# Altium PCB press.PcbDoc (part 1 of 2) (continued)
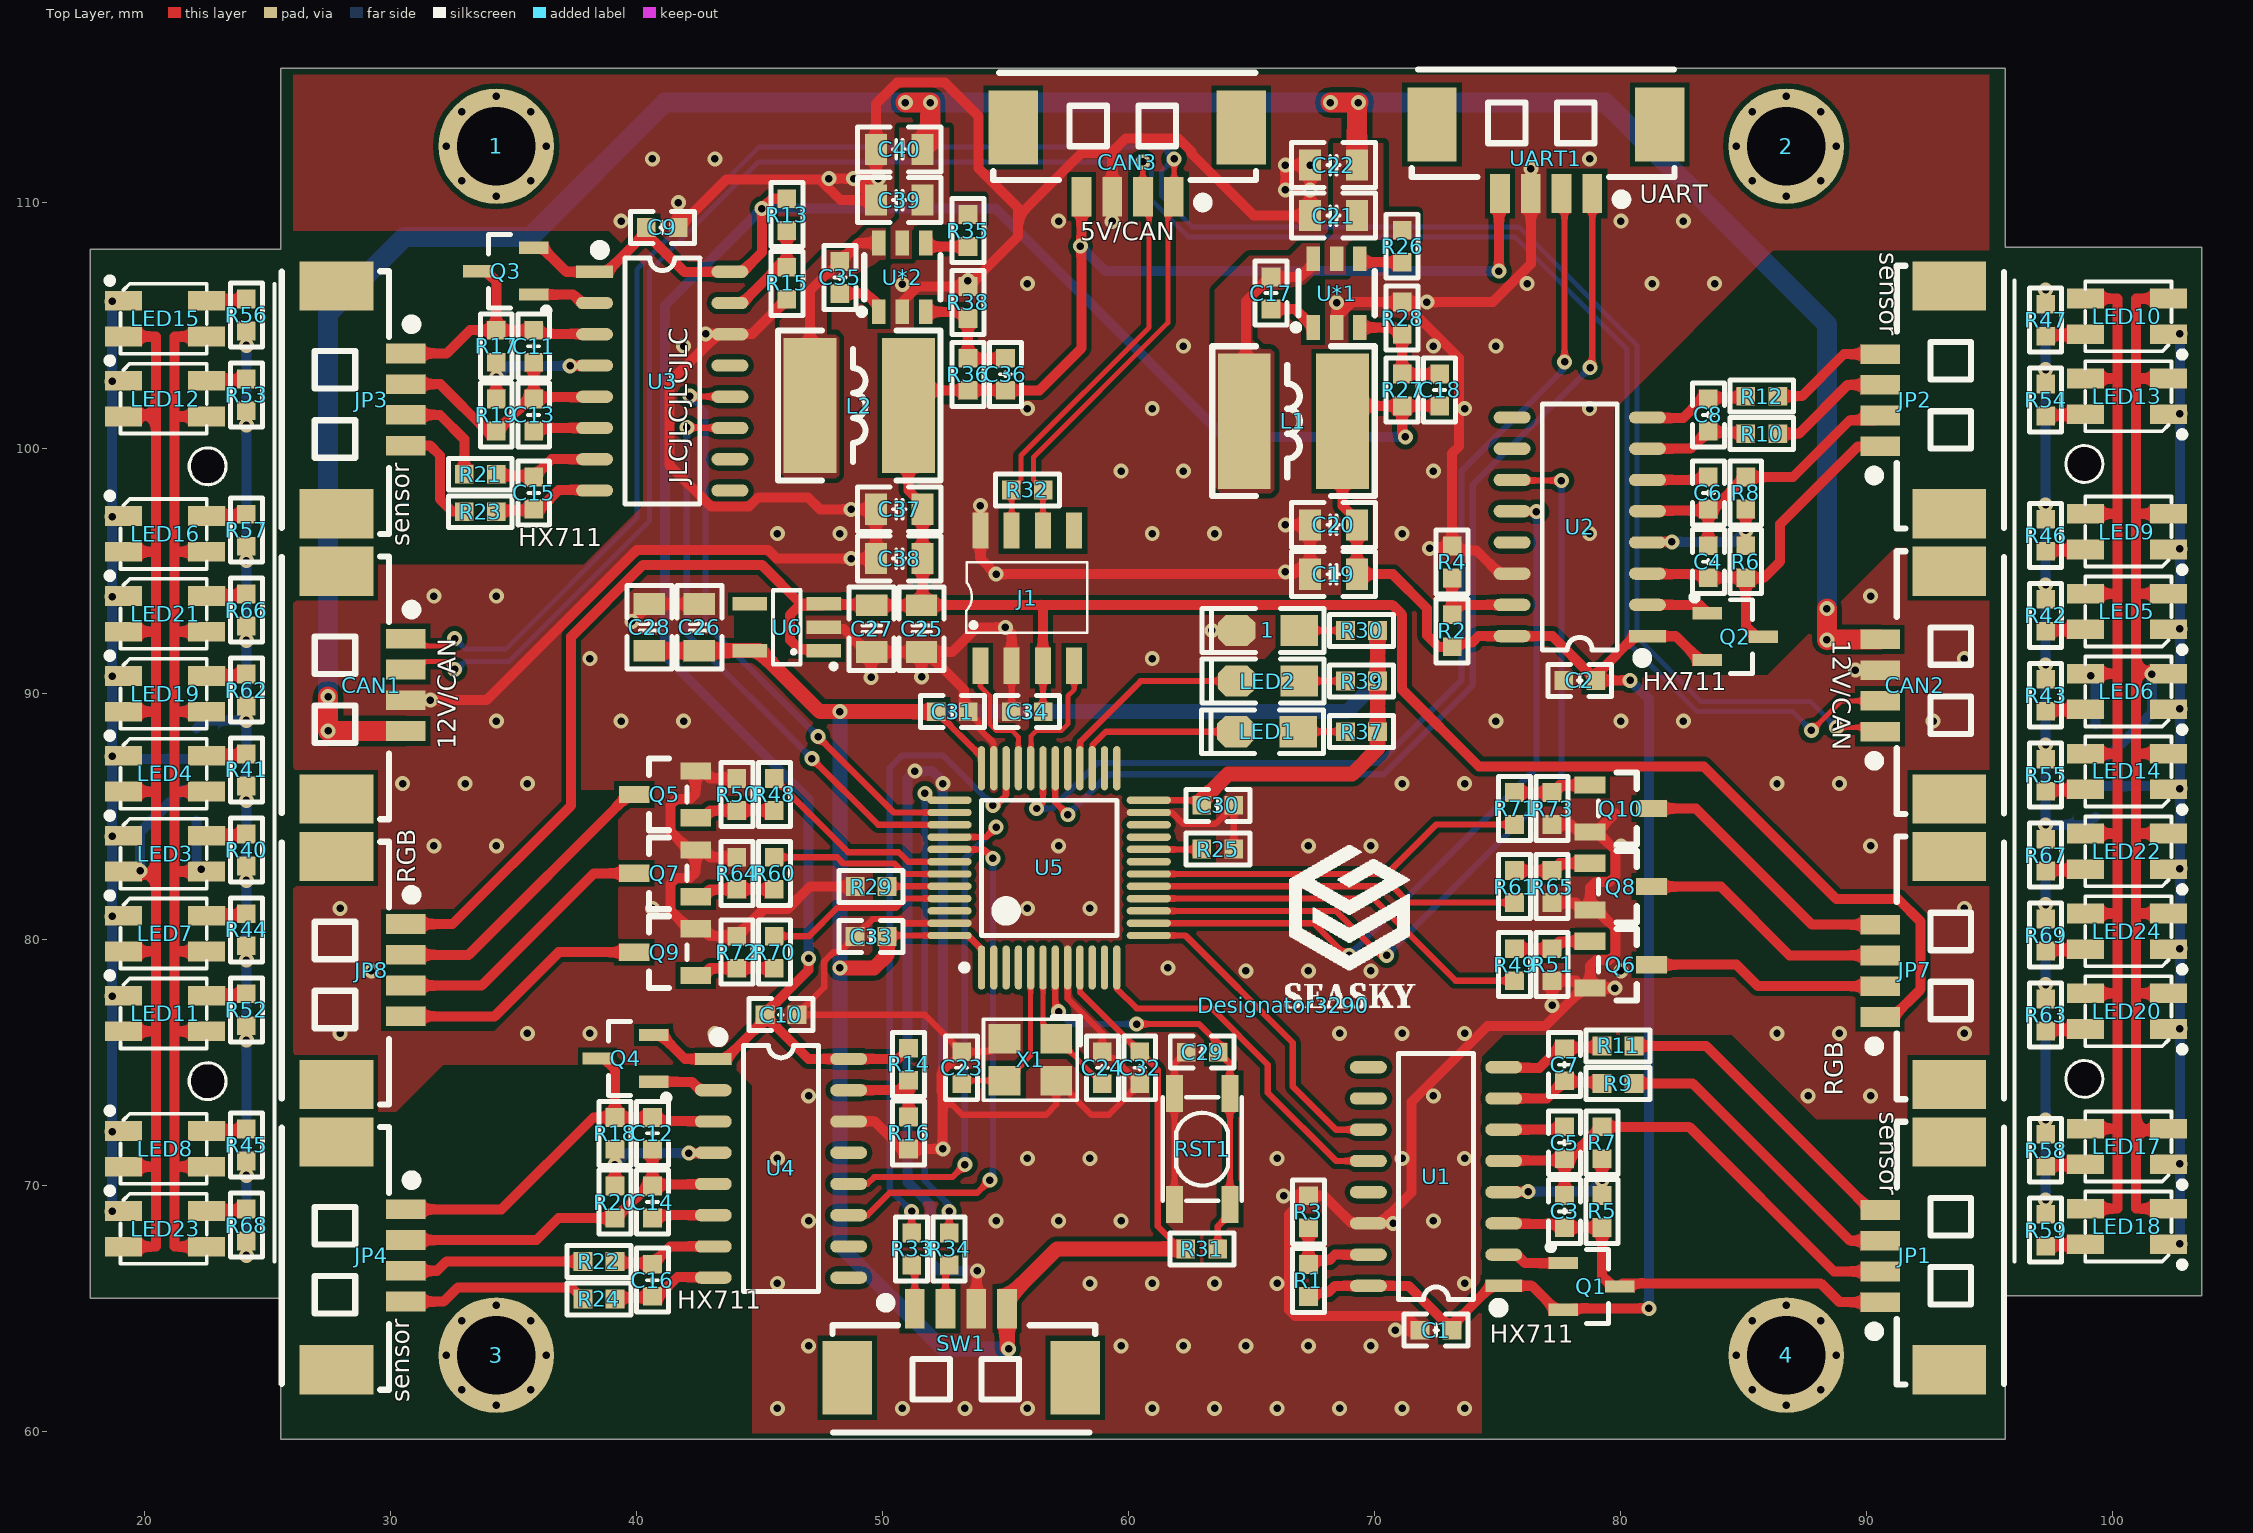
[diagram p0: Top Layer view]
## Components (designator, comment, footprint, x,y, rotation, side; value= is the part's Value field where it differs from the comment) (continued)
R20 "10K" "R 0603_L" 39.116,69.342 r90 top locked
R21 "100R" "R 0603_L" 33.64,98.933 r0 top locked
R22 "100R" "R 0603_L" 38.466,66.929 r0 top locked
R23 "100R" "R 0603_L" 33.64,97.409 r0 top locked
R24 "100R" "R 0603_L" 38.466,65.405 r0 top locked
R25 "10K" "R 0603_L" 63.627,83.693 r0 top locked
R26 "100K" "R 0603_L" 71.12,108.204 r90 top locked
R27 "33K" "R 0603_L" 71.12,102.362 r270 top locked
R28 "10K" "R 0603_L" 71.12,105.283 r270 top locked
R29 "10K" "R 0603_L" 49.53,82.169 r180 top locked
R30 "4.7K" "R 0603_L" 69.469,92.583 r180 top locked
R31 "10K" "R 0603_L" 62.977,67.437 r180 top locked
R32 "120R" "R 0603_L" 55.88,98.298 r0 top locked
R33 "0R" "R 0603_L" 51.181,67.437 r270 top locked
R34 "0R" "R 0603_L" 52.705,67.437 r270 top locked
R35 "100K" "R 0603_L" 53.467,108.839 r90 top locked
R36 "12K" "R 0603_L" 53.467,102.997 r270 top locked
R37 "4.7K" "R 0603_L" 69.469,88.468 r180 top locked
R38 "2.2K" "R 0603_L" 53.467,105.918 r270 top locked
R39 "4.7K" "R 0603_L" 69.469,90.526 r180 top locked
R40 "1K" "R 0603_L" 24.13,83.66 r90 top locked
R41 "1K" "R 0603_L" 24.13,86.91 r90 top locked
R42 "1K" "R 0603_L" 97.282,93.199 r270 top locked
R43 "1K" "R 0603_L" 97.282,89.949 r270 top locked
R44 "1K" "R 0603_L" 24.13,80.41 r90 top locked
R45 "1K" "R 0603_L" 24.13,71.66 r90 top locked
R46 "1K" "R 0603_L" 97.282,96.449 r270 top locked
R47 "1K" "R 0603_L" 97.282,105.199 r270 top locked
R48 "1K" "R 0603_L" 45.593,85.915 r90 top locked
R49 "1K" "R 0603_L" 75.692,78.994 r270 top locked
R50 "10K" "R 0603_L" 44.069,85.915 r270 top locked
R51 "10K" "R 0603_L" 77.216,78.994 r90 top locked
R52 "1K" "R 0603_L" 24.13,77.16 r90 top locked
R53 "1K" "R 0603_L" 24.13,102.16 r90 top locked
R54 "1K" "R 0603_L" 97.282,101.949 r270 top locked
R55 "1K" "R 0603_L" 97.282,86.699 r270 top locked
R56 "1K" "R 0603_L" 24.13,105.41 r90 top locked
R57 "1K" "R 0603_L" 24.13,96.66 r90 top locked
R58 "1K" "R 0603_L" 97.282,71.449 r270 top locked
R59 "1K" "R 0603_L" 97.282,68.199 r270 top locked
R60 "1K" "R 0603_L" 45.593,82.709 r90 top locked
R61 "1K" "R 0603_L" 75.692,82.169 r270 top locked
R62 "1K" "R 0603_L" 24.13,90.16 r90 top locked
R63 "1K" "R 0603_L" 97.282,76.949 r270 top locked
R64 "10K" "R 0603_L" 44.069,82.708 r270 top locked
R65 "10K" "R 0603_L" 77.216,82.169 r90 top locked
R66 "1K" "R 0603_L" 24.13,93.41 r90 top locked
R67 "1K" "R 0603_L" 97.282,83.449 r270 top locked
R68 "1K" "R 0603_L" 24.13,68.41 r90 top locked
R69 "1K" "R 0603_L" 97.282,80.199 r270 top locked
R70 "1K" "R 0603_L" 45.593,79.502 r90 top locked
R71 "1K" "R 0603_L" 75.692,85.344 r270 top locked
R72 "10K" "R 0603_L" 44.069,79.502 r270 top locked
R73 "10K" "R 0603_L" 77.216,85.344 r90 top locked
RGB1 "HDR1x4" 1.25-4P-焊盘 22.098,88.606 r270 bottom
RGB2 "HDR1x4" 1.25-4P-焊盘 99.314,85.003 r90 bottom
RST1 "KEY_M" SMD-3.2*4.2 62.992,71.501 r270 top locked
SW1 "HDR-1X4" "MX 1.25-WS-4P" 53.194,62.201 r0 top locked
U1 "HX711" SOP16_L 72.498,70.382 r180 top locked
U2 "HX711" SOP16_L 78.34,96.798 r180 top locked
U3 "HX711" SOP16_L 41.04,102.719 r0 top locked
U4 "HX711" SOP16_L 45.866,70.715 r0 top locked
U5 "STM32F103C8T6" LQFP48_N 56.769,82.931 r90 top locked
U6 "RT9013-33GB" SOT23-5M 46.101,92.71 r90 top locked
U*1 "JW5026" SOT-23-6_L2.9-W1.6-P0.95-LS2.8-BL 68.453,106.299 r0 top locked
U*2 "JW5026" SOT-23-6_L2.9-W1.6-P0.95-LS2.8-BL 50.8,106.934 r0 top locked
UART1 "HDR-1X4" "MX 1.25-WS-4P" 76.962,113.157 r180 top locked
X1 "26M" "OSC 3225-4P" 56.007,75.127 r180 top locked

## Footprints (in the part's own frame and the unit in brackets; to place one, negate y for a bottom-side part, rotate by r counter-clockwise, add the part's x,y. Pads: shape width x height; smd on the part's side, far side on the other; paste and mask are expansions set on the pad)
1.25-4P-焊盘 [mm]
  rect 0.7x1.8 smd: 1(3.75,0) 2(2.5,0) 3(1.25,0) 4(0,0)
  silkscreen extent 4.39,-0.34 4.71,0.31
"C 0603_L" [mil] "无极性贴片电容                                       淘宝ID:黄晶宝石"
  rect 30x30 smd: 1(-25.59,0) 2(25.59,0)
  silkscreen extent -51,-26 51,26, body extent -31,-16 31,16, height 32
"C 0805_L" [mil] "无极性贴片电容                                        淘宝ID:黄晶宝石"
  rect 35x50 smd: 1(-37.4,0) 2(37.4,0)
  silkscreen extent -67,-36 67,36, body extent -39,-24 39,24, height 20
CD53 [mm] "5.8*5.2*3.5mm（长宽高）        淘宝ID:黄晶宝石"
  rect 2.15x5.5 smd: 1(-2,0) 2(2,0)
  silkscreen extent -3.3,-3.05 3.3,3.05, body extent -2.87,-2.5 2.87,2.5, height 3.6
"LED 0805B" [mil] "蓝色0805LED                                    淘宝ID:黄晶宝石"
  rect 60x50 smd: 1(-50,0)
  oct 60x50 smd: 2(50,0)
  silkscreen extent -90,-35 105,35, body extent -39,-25 39,25, height 32
"LED 0805R" [mil] "红色0805LED                                       淘宝ID:黄晶宝石"
  rect 60x50 smd: 1(-50,0)
  oct 60x50 smd: 2(50,0)
  silkscreen extent -90,-35 105,35, body extent -39,-25 39,25, height 32
"LED 3528-4Pin" [mm] "4脚，3528LED                             淘宝ID:黄晶宝石"
  rect 1.5x0.8 smd: 1(-1.689,0.725) 2(-1.689,-0.725) 3(1.689,-0.725) 4(1.689,0.725)
  silkscreen extent -2.37,-1.42 1.69,1.68, body extent -1.88,-1.4 1.62,1.4, height 1.95
LQFP48_N [mm] "封装库来自淘宝 ID：黄晶宝石 Thin QFP, 48-Leads, Body 7x7mm, Pitch 0.5mm, IPC Medium Density"
  oval 1.8x0.3 smd: 1(-4.05,2.75) 2(-4.05,2.25) 3(-4.05,1.75) 4(-4.05,1.25) 5(-4.05,0.75) 6(-4.05,0.25) 7(-4.05,-0.25) 8(-4.05,-0.75) 9(-4.05,-1.25) 10(-4.05,-1.75) 11(-4.05,-2.25) 12(-4.05,-2.75) 25(4.05,-2.75) 26(4.05,-2.25) 27(4.05,-1.75) 28(4.05,-1.25) 29(4.05,-0.75) 30(4.05,-0.25) 31(4.05,0.25) 32(4.05,0.75) 33(4.05,1.25) 34(4.05,1.75) 35(4.05,2.25) 36(4.05,2.75)
  oval 0.3x1.8 smd: 13(-2.75,-4.05) 14(-2.25,-4.05) 15(-1.75,-4.05) 16(-1.25,-4.05) 17(-0.75,-4.05) 18(-0.25,-4.05) 19(0.25,-4.05) 20(0.75,-4.05) 21(1.25,-4.05) 22(1.75,-4.05) 23(2.25,-4.05) 24(2.75,-4.05) 37(2.75,4.05) 38(2.25,4.05) 39(1.75,4.05) 40(1.25,4.05) 41(0.75,4.05) 42(0.25,4.05) 43(-0.25,4.05) 44(-0.75,4.05) 45(-1.25,4.05) 46(-1.75,4.05) 47(-2.25,4.05) 48(-2.75,4.05)
  silkscreen extent -4.17,-2.75 2.75,3.57, body extent -4.5,-4.5 4.5,4.5, height 1.45
"MX 1.25-WS-4P" [mm] "长：10.15mm，宽：4.2mm，高：3.4mm"
  rect 2x3 smd: 0(-4.632,0) 0(4.632,0)
  rect 0.8x1.6 smd: 1(-1.889,2.811) 2(-0.639,2.811) 3(0.611,2.811) 4(1.861,2.811)
  silkscreen extent -5.23,-2.23 5.45,3.25, body extent -5.07,-2.1 5.07,3.09, height 3.4
"OSC 3225-4P" [mm] "3.2*2.5*0.7mm(长宽高)                         淘宝ID:黄晶宝石"
  rect 1.3x1.2 smd: 1(-1.05,-0.85) 2(1.05,-0.85) 3(1.05,0.85) 4(-1.05,0.85)
  silkscreen extent -2.03,-1.75 1.91,1.65, body extent -1.6,-1.25 1.6,1.25, height 0.7
PAD3.2 [mm]
  round 4.7 / inner round 1.524 / far side round 4.7 hole 3.2: B3.2(0,0)
"R 0603_L" [mil] "1/10W贴片电阻                 淘宝ID:黄晶宝石"
  rect 30x30 smd: 1(-25.59,0) 2(25.59,0)
  silkscreen extent -51,-26 51,26, body extent -31,-16 32,16, height 16
SEASKY3 [mm]
  silkscreen extent 0.05,-0.1 5.36,6.5
SMD-3.2*4.2 [mm]
  rect 1.5x0.7 smd: 1(-2.25,1.125) 1(2.25,1.125) 2(-2.25,-1.125) 2(2.25,-1.125)
  silkscreen extent -2.1,-1.6 2.1,1.6, body extent -2.73,-1.6 2.47,1.58, height 1.8
SOIC-8_150mil [mm]
  rect 1.473x0.65 smd: 1(0,0) 2(0,-1.27) 3(0,-2.54) 4(0,-3.81) 5(5.5,-3.81) 6(5.5,-2.54) 7(5.5,-1.27) 8(5.5,0)
  silkscreen extent 1.35,-4.34 4.2,0.58, body extent -0.3,-4.34 5.7,0.56, height 1.7
SOP16_L [mm] "10.3*6.2*1.8mm（长宽高）封装库来自淘宝卖家 ID：黄晶宝石"
  rect 1.5x0.5 smd: 1(-2.752,4.445)
  oval 1.5x0.5 smd: 2(-2.752,3.175) 3(-2.752,1.905) 4(-2.752,0.635) 5(-2.752,-0.635) 6(-2.752,-1.905) 7(-2.752,-3.175) 8(-2.752,-4.445) 9(2.752,-4.445) 10(2.752,-3.175) 11(2.752,-1.905) 12(2.752,-0.635) 13(2.752,0.635) 14(2.752,1.905) 15(2.752,3.175) 16(2.752,4.445)
  silkscreen extent -2.69,-5 1.52,5.49, body extent -3,-5 3,5, height 1.9
SOT23-3N [mm] "3x1.3x1mm(长宽高)    封装库来自淘宝卖家 ID：黄晶宝石"
  rect 0.5x1.2 smd: 1(-0.95,-1.143) 2(0.95,-1.143) 3(0,1.143)
  silkscreen extent -1.72,-1.78 1.5,0.7, body extent -1.5,-1.2 1.5,1.2, height 1.05
SOT23-5M [mm] "3x1.6x1.1mm(长宽高) 封装库来自淘宝卖家 ID：黄晶宝石"
  rect 0.55x1.4 smd: 1(-0.95,-1.5) 2(0,-1.5) 3(0.95,-1.5) 4(0.95,1.5) 5(-0.95,1.5)
  silkscreen extent -1.66,-1.98 1.5,0.56, body extent -1.5,-1.4 1.5,1.4, height 1.15
SOT-23-3_L2.9-W1.3-P1.90-LS2.4-BR [mm]
  rect 1.25x0.7 smd: 1(1.25,-0.95) 2(1.25,0.95) 3(-1.25,0)
  silkscreen extent -0.65,-1.46 0.9,1.46, body extent -0.97,-1.5 1.43,1.5, height 1.05
SOT-23-6_L2.9-W1.6-P0.95-LS2.8-BL [mm]
  rect 0.55x1 smd: 1(-0.95,-1.4) 2(0,-1.4) 3(0.95,-1.4) 4(0.95,1.4) 5(0,1.4) 6(-0.95,1.4)
  silkscreen extent -1.78,-1.52 1.55,0.9, body extent -1.46,-1.17 1.46,1.17, height 1

## Part data
1 LED1 LED2: library part LED-SMD, "贴片LED"
C1 C2 C3 C4 C5 C6 C7 C8 C9 C10 C11 C12 C13 C14 C15 C16 C17 C18 C19 C20 C21 C22 C23 C24 C25 C26 C27 C28 C29 C30 C31 C32 C33 C34 C35 C36 C37 C38 C39 C40: library part C, "贴片电容"
CAN1 CAN2 CAN3 JP1 JP2 JP3 JP4 JP7 JP8 SW1 UART1: library part "Header 4", "4P接插件"
J1: "CAN芯片"
L1 L2: library part L-SMD, "CD系列贴片线绕功率电感"
LED3 LED4 LED5 LED6 LED7 LED8 LED9 LED10 LED11 LED12 LED13 LED14 LED15 LED16 LED17 LED18 LED19 LED20 LED21 LED22 LED23 LED24: library part "LED-RGB 3528", "3528三基色LED"
Q1 Q2 Q3 Q4: library part 8550-SMD, "高频放大-PNP型"
R1 R2 R3 R4 R5 R6 R7 R8 R9 R10 R11 R12 R13 R14 R15 R16 R17 R18 R19 R20 R21 R22 R23 R24 R25 R26 R27 R28 R29 R30 R31 R32 R33 R34 R35 R36 R37 R38 R39 R40 R41 R42 R43 R44 R45 R46 R47 R48 R49 R50 R51 R52 R53 R54 R55 R56 R57 R58 R59 R60 R61 R62 R63 R64 R65 R66 R67 R68 R69 R70 R71 R72 R73: library part R, "贴片电阻"
RGB1 RGB2: "Connector"
U5: "STM32 ARM-based 32-bit MCU Performance Line with 64 kB Flash, 20 kB Internal RAM, -40 to +85癈 Temperature, 48-Pin LQFP, Tray"
U*1 U*2: "BUCK、MAX40V"
X1: library part XTAL-4P, "4脚无源晶振"

## Free pads (board coordinates)
  round 1.5 hole 1.5: ""(22.555,99.258) ""(22.555,74.258) ""(98.857,74.351) ""(98.857,99.351)

## Via types
v1: diameter 0.61, hole 0.305, Top Layer to Bottom Layer, tented both sides, 286 vias

## Nets (pads, with @x,y where several pads share a name; then routed paths per layer and width w, separated by ;. In a path a pad name is that pad's centre, name@x,y a point inside that pad or via, vN(x,y) a via of type N, cw(c..) or ccw(c..) an arc to the next point about the centre after c; other vN are vias at no path point)
CAN1_RX(PA11): J1.4 U5.32 | length 5.5
  Top Layer w0.203: U5.32@56.019,86.981 56.038,87 56.038,88.296 56.261,88.519 57.277,88.519 57.531,88.773 57.531,89.916 57.785,90.17 J1.4@57.785,91.147
CAN1_TX(PA12): J1.1 U5.33 | length 5.2
  Top Layer w0.203: J1.1@53.975,91.147 53.975,90.297 54.356,89.916 54.356,88.773 54.61,88.519 55.245,88.519 55.519,88.245 U5.33@55.519,86.981
CAN_H: CAN1.2 CAN2.2 CAN3.2 J1.7 R32.1 | length 109.9
  Top Layer w0.203: CAN1.2@30.607,90.997 31.104,90.997 31.42,91.313 32.278,91.313 v1(32.594,90.997) ; J1.7@55.245,96.647 55.245,98.283 R32.1@55.23,98.298 55.626,98.694 55.626,99.695 60.833,104.902 60.833,109.969 CAN3.2@60.583,110.219 60.579,110.223 v1(60.579,111.633) ; v1(87.757,88.519) 87.784,88.519 88.984,89.719 CAN2.2@90.551,89.719
  Bottom Layer w0.203: v1(32.594,90.997) 32.704,90.997 33.021,91.313 34.798,91.313 40.513,97.028 40.513,107.193 44.953,111.633 v1(60.579,111.633) 60.935,111.277 60.935,110.068 62.417,108.585 75.692,108.585 80.264,104.013 80.264,92.135 83.118,89.281 86.995,89.281 v1(87.757,88.519)
CAN_L: CAN1.1 CAN2.1 CAN3.1 J1.6 R32.2 | length 110.8
  Top Layer w0.203: CAN1.1@30.607,92.247 31.104,92.247 31.402,91.948 32.296,91.948 v1(32.594,92.247) ; J1.6@56.515,96.647 56.515,98.283 R32.2@56.53,98.298 56.134,98.694 56.134,99.628 61.595,105.089 61.595,109.982 CAN3.1@61.833,110.219 61.849,110.236 v1(61.849,111.76) ; v1(88.773,88.646) 90.374,88.646 CAN2.1@90.551,88.469
  Bottom Layer w0.203: v1(32.594,92.247) 32.605,92.247 33.031,91.821 34.671,91.821 40.005,97.155 40.005,107.259 44.988,112.243 61.366,112.243 v1(61.849,111.76) 61.341,111.252 61.341,110.236 62.586,108.991 75.86,108.991 80.67,104.181 80.67,92.304 83.287,89.687 87.732,89.687 v1(88.773,88.646)
GND: 1.2 C1.2 C2.2 C9.2 C10.2 C19.1 C20.1 C21.1 C22.1 C23.2 C24.2 C25.1 C26.1 C27.1 C28.1 C29.1 C30.1 C31.1 C32.1 C33.1 C34.2 C37.1 C38.1 C39.1 C40.1 CAN1.3 CAN2.3 CAN3.3 J1.2 J1.8 Q5.2 Q6.2 Q7.2 Q8.2 Q9.2 Q10.2 R3.2 R4.2 R15.2 R16.2 R25.2 R28.1 R29.2 R38.1 R50.1 R51.1 R64.1 R65.1 R72.1 R73.1 RST1.2 SW1.3 U1.14 U2.14 U3.14 U4.14 U5.8 U5.23 U5.35 U5.47 U6.2 U*1.2 U*2.2 UART1.3 X1.2 X1.4 | length 341.6
  Top Layer w0.254: U5.47@52.719,80.681 50.889,80.681 50.721,80.848 49.591,80.848 C33.1@48.88,80.137 48.249,79.506 48.001,79.506 47.625,79.13 47.625,78.071 C10.2@46.516,76.962 51.704,76.962 C23.2@53.213,75.453 ; C31.1@53.482,89.281 53.924,88.839 53.924,88.594 54.51,88.008 54.51,86.99 U5.35@54.519,86.981 ; X1.2@54.957,75.977 54.907,75.977 54.383,75.453 C23.2@53.213,75.453 ; C34.2@55.23,89.281 55.245,89.296 J1.2@55.245,91.147 ; U5.8@57.519,78.881 57.528,78.872 57.528,77.615 58.928,76.215 C24.2@58.928,75.453 59.182,75.199 59.406,75.199 C32.1@60.452,74.153 59.197,72.898 58.486,72.898 57.107,74.277 X1.4@57.057,74.277 57.057,73.313 56.642,72.898 53.239,72.898 52.426,73.711 52.324,73.813 52.324,74.564 52.426,74.666 52.748,74.988 C23.2@53.213,75.453 ; U5.23@60.819,85.181 60.828,85.172 61.767,85.172 62.23,84.709 63.515,84.709 C30.1@64.277,85.471 R25.2@64.277,83.693 ; RST1.2@61.867,69.251 RST1.2@61.867,73.751 61.867,74.963 C29.1@62.342,75.438
  Top Layer w0.406: CAN1.3@30.607,89.747 v1(31.614,89.747) 33.894,89.747 40.006,95.86 45.338,95.86 45.693,95.504 v1(48.718,95.504) C38.1@49.725,95.504 C37.1@49.725,97.51 ; v1(39.801,92.948) C28.1@40.513,93.66 C26.1@42.545,93.66 ; v1(41.69,109.973) C9.2@41.69,108.966 43.65,110.926 47.443,110.926 48.286,110.083 C39.1@49.725,110.083 v1@49.725,110.948 ; v1(42.802,104.642) U3.14@43.81,104.642 ; R64.1@44.069,83.358 42.973,83.358 42.673,83.658 Q7.2@42.398,83.658 ; R50.1@44.069,86.565 42.973,86.565 42.673,86.865 Q5.2@42.398,86.865 42.398,85.96 42.16,85.721 41.604,85.721 41.366,85.483 41.366,84.415 42.123,83.658 Q7.2@42.398,83.658 ; R15.2@46.101,106.045 44.698,104.642 U3.14@43.81,104.642 ; U6.2@47.601,92.71 47.673,92.638 48.43,92.638 49.361,91.707 C27.1@49.552,91.707 ; v1(47.81,110.948) v1(48.818,110.948) ; U4.14@48.618,72.62 49.681,72.62 50.8,71.501 R16.2@51.054,71.501 v1(52.451,71.501) 52.426,71.526 52.426,73.711 52.426,74.666 52.426,74.702 52.711,74.988 52.748,74.988 ; v1(48.718,97.51) C37.1@49.725,97.51 ; R29.2@48.88,82.169 47.04,82.169 46.121,81.249 45.166,81.249 R72.1@44.069,80.152 42.973,80.152 42.673,80.452 Q9.2@42.398,80.452 42.123,80.452 41.366,81.208 41.366,82.277 41.604,82.515 42.16,82.515 42.398,82.753 Q7.2@42.398,83.658 ; v1(49.53,90.678) 49.53,91.685 C27.1@49.552,91.707 ; C39.1@49.53,110.236 v1(48.818,110.948) ; v1(49.825,110.948) v1@49.725,110.948 ; U*2.2@50.8,105.534 50.8,105.934 51.434,106.568 R38.1@53.467,106.568 55.499,108.6 55.499,109.41 ; v1(51.584,90.7) C25.1@51.584,91.707 ; C31.1@53.482,89.281 53.304,89.459 53.304,90.177 C25.1@51.774,91.707 ; SW1.3@53.806,65.011 53.827,65.033 53.827,66.527 v1(53.848,66.548) ; v1(53.975,97.654) J1.8@53.975,96.647 53.975,95.504 v1(54.61,94.869) 66.705,94.869 66.8,94.964 ; J1.2@55.245,91.147 55.245,92.456 v1(54.991,92.71) 53.831,92.71 52.828,91.707 C25.1@51.774,91.707 ; v1(59.333,109.212) CAN3.3@59.333,110.219 59.333,111.99 ; v1(63.382,92.583) 1.2@64.389,92.583 ; v1(66.303,69.596) R3.2@67.31,69.596 ; v1(66.371,94.964) 66.8,94.964 ; v1(66.371,96.875) C20.1@67.378,96.875 C19.1@67.378,95.059 ; v1(68.453,105.906) U*1.2@68.453,105.299 ; v1(70.754,68.477) U1.14@70.246,68.477 ; v1(70.841,64.135) C1.2@71.848,64.135 71.269,64.715 66.761,64.715 66.523,64.953 66.523,68.845 66.808,69.131 66.845,69.131 R3.2@67.31,69.596 ; v1(72.127,105.933) R28.1@71.298,105.933 ; v1(72.233,95.923) R4.2@73.241,95.923 ; U2.14@75.588,94.893 75.088,94.893 74.147,95.834 73.33,95.834 R4.2@73.241,95.923 ; v1(76.351,111.354) UART1.3@76.351,110.346 76.351,107.476 74.808,105.933 R28.1@71.298,105.933 ; v1(77.216,77.337) R51.1@77.216,78.344 78.185,78.344 Q6.2@78.485,78.044 ; R65.1@77.216,81.519 78.185,81.519 78.485,81.219 Q8.2@78.76,81.219 ; R73.1@77.216,84.694 77.993,84.694 78.293,84.394 Q10.2@78.76,84.394 Q10.2@79.035,84.394 ; v1(79.768,78.044) Q6.2@78.76,78.044 ; 79.792,85.15 Q10.2@79.035,84.394 ; v1(89.544,90.969) CAN2.3@90.551,90.969 ; U3.14@43.81,104.642 U3.14@43.792,104.624 43.292,104.624 41.326,102.659 41.326,99.312 43.02,97.618 44.564,97.618 44.932,97.987 46.97,97.987 47.447,97.51 C37.1@49.725,97.51 ; v1(48.818,110.948) v1@49.725,110.948 ; C27.1@49.552,91.707 C25.1@51.584,91.707 ; v1@49.725,110.948 C40.1@49.725,112.141 49.725,113.994 50.59,114.859 52.527,114.859 53.906,113.48 53.906,111.362 55.499,109.768 55.499,109.41 ; C25.1@51.584,91.707 C25.1@51.774,91.707 ; 55.499,109.41 58.079,111.99 59.333,111.99 ; 59.333,111.99 59.333,112.038 59.877,112.582 62.032,112.582 62.56,112.055 62.56,111.971 65.083,109.448 C21.1@67.378,109.448 v1(67.378,110.498) ; 66.8,94.964 C19.1@67.378,94.964 ; 66.8,94.964 67.137,95.301 C19.1@67.378,95.059 ; R3.2@67.31,69.596 67.945,69.596 69.021,68.52 69.228,68.52 69.272,68.477 U1.14@69.746,68.477 U1.14@70.246,68.477 ; C19.1@67.378,94.964 C19.1@67.378,95.059 ; C19.1@67.378,94.964 C19.1@67.378,94.869 C19.1@67.378,94.964 ; C19.1@67.378,94.964 C19.1@67.378,95.059 ; v1(67.378,110.498) v1(67.378,111.506) v1(66.371,111.506) v1(66.371,110.498) v1(67.378,110.498) ; U*1.2@68.453,105.299 69.087,105.933 R28.1@71.12,105.933 ; U*1.2@68.453,105.299 U*1.2@68.453,104.899 U*1.2@68.453,105.299 ; U1.14@70.246,68.477 71.501,69.731 71.501,73.406 74.593,76.498 76.939,76.498 Q6.2@78.485,78.044 ; R28.1@71.12,105.933 71.232,106.045 71.232,105.999 R28.1@71.298,105.933 ; R28.1@71.12,105.933 R28.1@71.298,105.933 ; R28.1@71.12,105.933 71.298,105.755 71.334,105.755 73.431,103.658 73.431,100.064 73.152,99.784 R4.2@73.152,96.012 R4.2@73.241,95.923 ; Q6.2@78.485,78.044 Q6.2@78.76,78.044 ; Q6.2@78.76,78.044 78.76,78.949 78.998,79.188 79.554,79.188 79.792,79.426 79.792,80.463 79.035,81.219 Q8.2@78.76,81.219 ; Q8.2@78.76,81.219 78.76,82.124 78.998,82.363 79.554,82.363 79.792,82.601 79.792,83.638 Q10.2@79.035,84.394
  Bottom Layer w0.406: v1(52.451,71.501) v1(52.451,86.36) 52.451,86.43 52.013,86.868 v1(51.308,86.868) 51,86.56 51,70.166 51.943,69.223 51.943,66.929 52.324,66.548 v1(53.848,66.548)
  other v1: 45.72,60.96 50.8,60.96 53.34,60.96 55.88,60.96 60.96,60.96 63.5,60.96 66.04,60.96 68.58,60.96 71.12,60.96 73.66,60.96 46.99,63.5 59.69,63.5 62.23,63.5 64.77,63.5 67.31,63.5 69.85,63.5 45.72,66.04 58.42,66.04 60.96,66.04 63.5,66.04 66.04,66.04 73.66,66.04 46.99,68.58 54.61,68.58 57.15,68.58 59.69,68.58 72.39,68.58 45.72,71.12 55.88,71.12 58.42,71.12 66.04,71.12 71.12,71.12 73.66,71.12 46.99,73.66 72.39,73.66 87.63,73.66 90.17,73.66 27.94,76.2 35.56,76.2 38.1,76.2 43.18,76.2 68.58,76.2 71.12,76.2 73.66,76.2 86.36,76.2 88.9,76.2 93.98,76.2 29.21,78.74 64.77,78.74 67.31,78.74 69.85,78.74 80.01,78.74 61.595,78.867 27.94,81.28 40.64,81.28 55.88,81.28 58.42,81.28 93.98,81.28 31.75,83.82 34.29,83.82 57.15,83.82 67.31,83.82 69.85,83.82 80.01,83.82 90.17,83.82 30.48,86.36 33.02,86.36 35.56,86.36 71.12,86.36 73.66,86.36 86.36,86.36 88.9,86.36 34.29,88.9 39.37,88.9 41.91,88.9 74.93,88.9 80.01,88.9 82.55,88.9 92.71,88.9 38.1,91.44 60.96,91.44 93.98,91.44 31.75,93.98 34.29,93.98 90.17,93.98 45.72,96.52 48.26,96.52 60.96,96.52 63.5,96.52 71.12,96.52 78.74,96.52 59.69,99.06 62.23,99.06 72.39,99.06 55.88,101.6 60.96,101.6 73.66,101.6 78.74,101.6 41.91,104.14 62.23,104.14 72.39,104.14 74.93,104.14 50.8,106.654 55.88,106.68 76.2,106.68 81.28,106.68 83.82,106.68 53.467,106.807 39.37,109.22 57.15,109.22 80.01,109.22 82.55,109.22 40.64,111.76 43.18,111.76 78.74,111.76
LED0: LED1.2 U5.27 | length 7
  Top Layer w0.254: U5.27@58.519,86.981 58.528,86.99 58.528,87.919 59.077,88.468 LED1.2@64.359,88.468
LED1: LED2.2 U5.28 | length 8.5
  Top Layer w0.254: U5.28@58.019,86.981 58.028,86.99 58.028,88.065 60.488,90.526 LED2.2@64.389,90.526
LED1_B: LED3.3 LED4.3 LED7.3 LED8.3 LED11.3 LED12.3 LED15.3 LED16.3 LED19.3 LED21.3 LED23.3 RGB1.1 | length 53.7
  Top Layer w0.406: LED23.3@22.517,67.533 21.209,67.533 21.209,70.863 ; LED8.3@22.517,70.783 21.289,70.783 21.209,70.863 ; LED11.3@22.517,76.283 21.292,76.283 21.209,76.2 ; LED7.3@22.517,79.533 21.24,79.533 21.209,79.502 ; LED3.3@22.517,82.783 21.23,82.783 21.209,82.804 ; LED4.3@22.517,86.033 21.263,86.033 21.209,85.979 ; LED19.3@22.517,89.283 21.338,89.283 21.209,89.154 ; LED21.3@22.517,92.533 21.259,92.533 21.209,92.583 ; LED16.3@22.517,95.783 21.361,95.783 21.209,95.631 ; LED12.3@22.517,101.283 21.273,101.283 21.209,101.219 ; LED15.3@22.517,104.533 21.209,104.533 21.209,101.219 ; 21.209,70.863 21.209,76.2 ; 21.209,76.2 21.209,79.502 ; 21.209,79.502 21.209,82.804 ; 21.209,82.804 21.209,85.979 ; 21.209,85.979 21.209,89.154 ; 21.209,89.154 21.209,92.583 ; 21.209,92.583 21.209,95.631 ; 21.209,95.631 21.209,101.219
  Bottom Layer w0.406: RGB1.1@22.098,84.856 22.098,83.058 v1(22.288,82.867)
LED1_G: LED3.2 LED4.2 LED7.2 LED8.2 LED11.2 LED12.2 LED15.2 LED16.2 LED19.2 LED21.2 LED23.2 RGB1.2 | length 56.2
  Top Layer w0.406: LED23.2@19.139,67.533 20.447,67.533 20.447,70.739 ; LED8.2@19.139,70.783 20.403,70.783 20.447,70.739 ; LED11.2@19.139,76.283 20.403,76.283 20.447,76.327 ; LED7.2@19.139,79.533 20.416,79.533 20.447,79.502 ; LED3.2@19.139,82.783 19.245,82.677 20.447,82.677 ; LED4.2@19.139,86.033 20.393,86.033 20.447,85.979 ; LED19.2@19.139,89.283 20.322,89.283 20.447,89.408 ; LED21.2@19.139,92.533 20.397,92.533 20.447,92.583 ; LED16.2@19.139,95.783 20.345,95.783 20.447,95.885 ; LED12.2@19.139,101.283 19.202,101.346 20.447,101.346 ; LED15.2@19.139,104.533 20.447,104.533 20.447,101.346 ; 20.447,70.739 20.447,76.327 ; 20.447,76.327 20.447,79.502 ; 20.447,79.502 20.447,82.677 ; 20.447,82.677 20.447,85.979 ; 20.447,85.979 20.447,89.408 ; 20.447,89.408 20.447,92.583 ; 20.447,92.583 20.447,95.885 ; 20.447,95.885 20.447,101.346
  Bottom Layer w0.406: v1(19.812,82.804) 19.812,84.395 21.079,85.662 21.104,85.662 21.548,86.106 RGB1.2@22.098,86.106
LED1_R: LED3.1 LED4.1 LED7.1 LED8.1 LED11.1 LED12.1 LED15.1 LED16.1 LED19.1 LED21.1 LED23.1 RGB1.3 | length 40.4
  Bottom Layer w0.406: v1(18.669,68.961) v1(18.669,72.211) v1(18.669,77.711) v1(18.669,80.961) v1(18.669,84.211) v1(18.669,87.461) v1(18.669,90.711) v1(18.669,93.961) v1(18.669,97.211) v1(18.669,102.711) v1(18.669,105.961) ; v1@18.689,87.356 RGB1.3@22.098,87.356
LED2_B: LED5.3 LED6.3 LED9.3 LED10.3 LED13.3 LED14.3 LED17.3 LED18.3 LED20.3 LED22.3 LED24.3 RGB2.1 | length 53.7
  Top Layer w0.406: LED18.3@98.895,69.076 100.203,69.076 100.203,72.39 ; LED17.3@98.895,72.326 100.139,72.326 100.203,72.39 ; LED20.3@98.895,77.826 100.051,77.826 100.203,77.978 ; LED24.3@98.895,81.076 100.153,81.076 100.203,81.026 ; LED22.3@98.895,84.326 100.074,84.326 100.203,84.455 ; LED14.3@98.895,87.576 100.149,87.576 100.203,87.63 ; LED6.3@98.895,90.826 100.182,90.826 100.203,90.805 ; LED5.3@98.895,94.076 100.172,94.076 100.203,94.107 ; LED9.3@98.895,97.326 100.12,97.326 100.203,97.409 ; LED13.3@98.895,102.826 100.123,102.826 100.203,102.746 ; LED10.3@98.895,106.076 100.203,106.076 100.203,102.746 ; 100.203,72.39 100.203,77.978 ; 100.203,77.978 100.203,81.026 ; 100.203,81.026 100.203,84.455 ; 100.203,84.455 100.203,87.63 ; 100.203,87.63 100.203,90.805 ; 100.203,90.805 100.203,94.107 ; 100.203,94.107 100.203,97.409 ; 100.203,97.409 100.203,102.746
  Bottom Layer w0.406: v1(99.123,90.742) 99.314,90.551 RGB2.1@99.314,88.753
LED2_G: LED5.2 LED6.2 LED9.2 LED10.2 LED13.2 LED14.2 LED17.2 LED18.2 LED20.2 LED22.2 LED24.2 RGB2.2 | length 56.2
  Top Layer w0.406: LED18.2@102.273,69.076 100.965,69.076 100.965,72.263 ; LED17.2@102.273,72.326 102.21,72.263 100.965,72.263 ; LED20.2@102.273,77.826 101.067,77.826 100.965,77.724 ; LED24.2@102.273,81.076 101.015,81.076 100.965,81.026 ; LED22.2@102.273,84.326 101.09,84.326 100.965,84.201 ; LED14.2@102.273,87.576 101.019,87.576 100.965,87.63 ; LED6.2@102.273,90.826 102.167,90.932 100.965,90.932 ; LED5.2@102.273,94.076 100.996,94.076 100.965,94.107 ; LED9.2@102.273,97.326 101.009,97.326 100.965,97.282 ; LED13.2@102.273,102.826 101.009,102.826 100.965,102.87 ; LED10.2@102.273,106.076 100.965,106.076 100.965,102.87 ; 100.965,72.263 100.965,77.724 ; 100.965,77.724 100.965,81.026 ; 100.965,81.026 100.965,84.201 ; 100.965,84.201 100.965,87.63 ; 100.965,87.63 100.965,90.932 ; 100.965,90.932 100.965,94.107 ; 100.965,94.107 100.965,97.282 ; 100.965,97.282 100.965,102.87
  Bottom Layer w0.406: RGB2.2@99.314,87.503 99.864,87.503 100.308,87.947 100.333,87.947 101.6,89.214 v1(101.6,90.805)
LED2_R: LED5.1 LED6.1 LED9.1 LED10.1 LED13.1 LED14.1 LED17.1 LED18.1 LED20.1 LED22.1 LED24.1 RGB2.3 | length 40.4
  Bottom Layer w0.406: RGB2.3@99.314,86.253 v1@102.723,86.253 ; v1(102.743,67.648) v1(102.743,70.898) v1(102.743,76.398) v1(102.743,79.648) v1(102.743,82.898) v1(102.743,86.148) v1(102.743,89.398) v1(102.743,92.648) v1(102.743,95.898) v1(102.743,101.398) v1(102.743,104.648)
Net1_1: 1.1 R30.2 | length 1.9
  Top Layer w0.254: 1.1@66.929,92.583 R30.2@68.819,92.583
NET_LED1_B: JP8.4 Q9.3 | length 10.4
  Top Layer w0.406: JP8.4@30.607,76.897 34.225,76.897 36.83,79.502 Q9.3@39.898,79.502
NET_LED1_G: JP8.3 Q7.3 | length 11.2
  Top Layer w0.406: JP8.3@30.607,78.147 33.697,78.147 38.258,82.708 Q7.3@39.898,82.708
NET_LED1_R: JP8.2 Q5.3 | length 12
  Top Layer w0.406: JP8.2@30.607,79.397 33.169,79.397 39.687,85.915 Q5.3@39.898,85.915
NET_LED2_B: JP7.4 Q10.3 | length 11.2
  Top Layer w0.406: Q10.3@81.26,85.344 83.058,85.344 87.782,80.62 JP7.4@90.551,80.62
NET_LED2_G: JP7.3 Q8.3 | length 10.5
  Top Layer w0.406: Q8.3@81.26,82.169 84.074,82.169 86.873,79.37 JP7.3@90.551,79.37
NET_LED2_R: JP7.2 Q6.3 | length 9.7
  Top Layer w0.406: Q6.3@81.26,78.994 84.709,78.994 85.583,78.12 JP7.2@90.551,78.12